# Altium PCB PCB.PcbDoc (part 4 of 7)
Units mil, origin at the board's own origin, x right, y up, seen from the top; angles counter-clockwise.
Board outline 3937.01 x 2165.35 mil, 6 copper layers (Top, PWR, Signal 1, Signal 2, GND, Bottom), stack 64.961 mil thick; 271 components, 335 nets, 1191 pads, 518 vias.
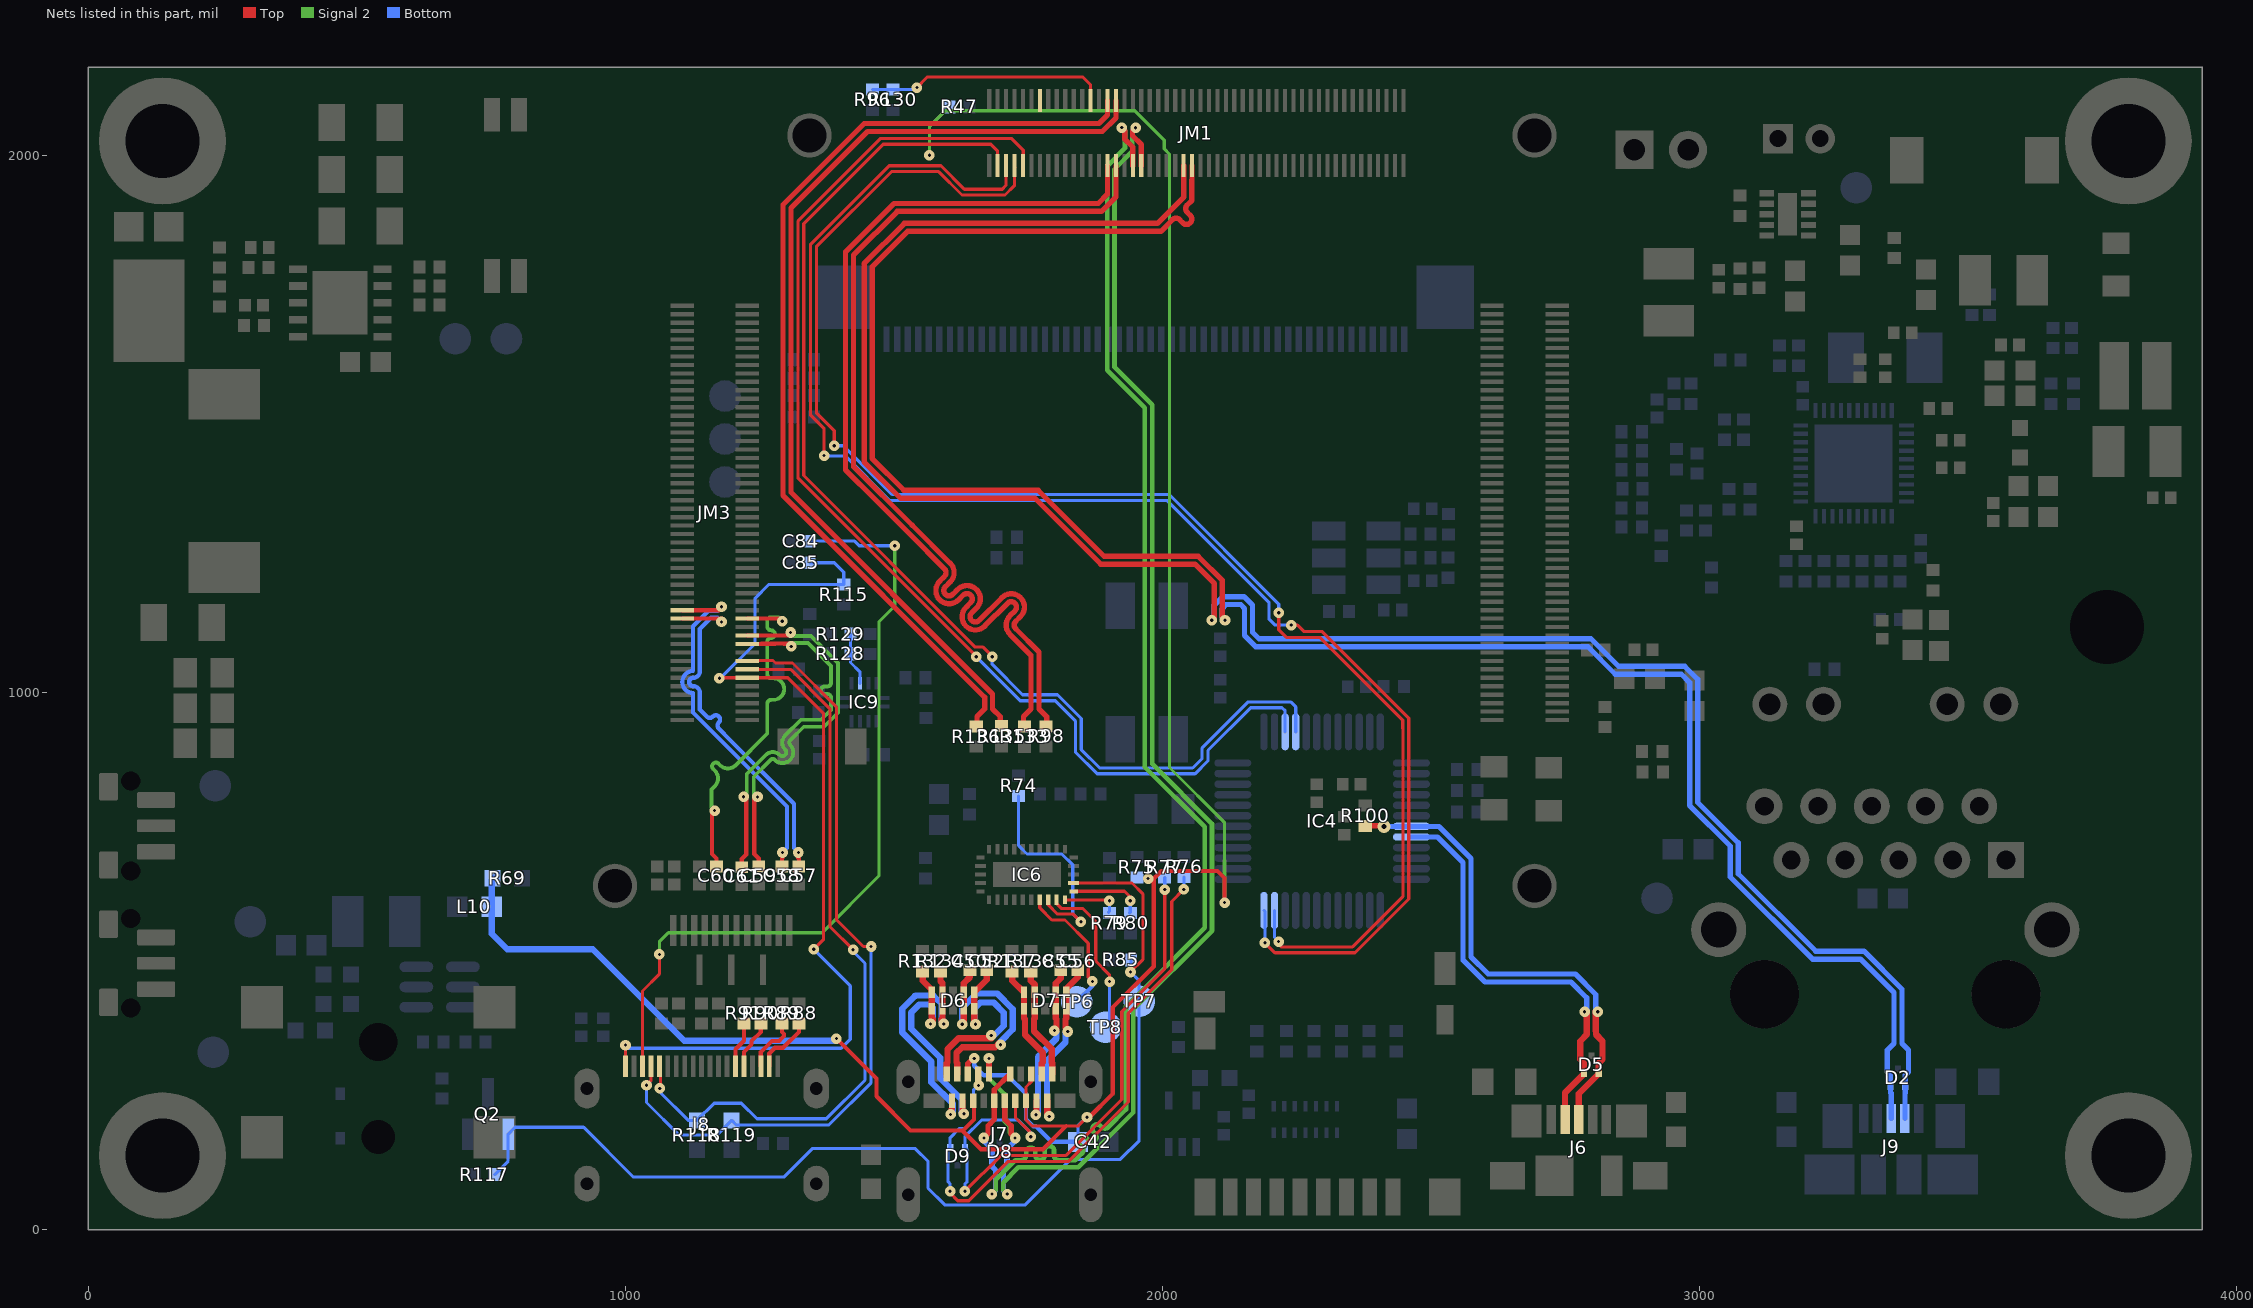
[diagram p8: the nets of this part, all layers, seen from the top]

## Via types
v1: diameter 19.68, hole 5.91, Top to Bottom, tented both sides, 378 vias
v2: diameter 19.68, hole 5.91, Top to Bottom, 128 vias
v3: diameter 23.62, hole 9.84, Top to Bottom, 7 vias
v4: diameter 23.62, hole 7.87, Top to Bottom, 5 vias

## Nets (pads, with @x,y where several pads share a name; then routed paths per layer and width w, separated by ;. In a path a pad name is that pad's centre, name@x,y a point inside that pad or via, vN(x,y) a via of type N, cw(c..) or ccw(c..) an arc to the next point about the centre after c; other vN are vias at no path point) (continued)
TMDS_D0_P: C60.1 JM3.75 | length 703.9
  Top w7.87: v1(1166.16,780.43) 1161.24,775.51 1161.24,699.59 1169.56,691.26 C60.1@1169.56,676.27 ; JM3.75@1227.09,1138.03 1253.01,1138.03 1253.46,1138.49 v1@1292.67,1138.49
  Signal 2 w7.09: 1163.56,867.78 ccw(c1168.59,862.79) 1163.58,857.77 1166.64,854.71 cw(c1152.44,840.51) 1172.52,840.51 cw(c1152.44,840.51) 1166.64,826.32 1160.31,819.99 1160.31,786.28 v1(1166.16,780.43) ; 1163.58,867.8 cw(c1168.59,862.79) 1173.6,867.8 1176.66,864.73 ccw(c1190.86,878.93) 1205.06,864.73 1264.23,923.9 1264.23,979.69 cw(c1271.31,979.69) 1271.31,986.78 1275.64,986.78 ccw(c1275.64,1006.85) 1295.72,1006.85 ccw(c1275.64,1006.85) 1275.64,1026.93 1271.31,1026.93 cw(c1271.31,1034.02) 1264.23,1034.02 1264.23,1071.78 1264.23,1094.97 cw(c1271.31,1094.97) 1271.31,1102.06 ccw(c1271.31,1109.14) 1278.4,1109.14 ccw(c1271.31,1109.14) 1271.31,1116.23 cw(c1271.31,1123.32) 1264.23,1123.32 1264.23,1135.64 1268.43,1139.84 1285.16,1139.84 v1(1292,1133)
TMDS_D1_C_N: J8.6 R91.2 | length 86.1
  Top w7.87: J8.6@1205,304.22 1205,336.07 1220.75,351.82 R91.2@1220.75,383.75
TMDS_D1_C_P: J8.5 R90.2 | length 92.6
  Top w7.87: J8.5@1220.75,304.22 1220.75,330.83 1235.01,345.1 1235.01,351.03 1252.24,368.26 R90.2@1252.24,383.75
TMDS_D1_N: C61.1 JM3.81 | length 700.5
  Top w7.87: C61.1@1216.81,675.28 1216.81,690.26 1225.14,698.59 1225.14,801.3 v1(1220.21,806.22) ; JM3.81@1227.09,1090.79 1253.01,1090.79 1253.46,1091.24 1278.64,1091.24 1279.26,1091.86 1294.75,1091.86 1295.37,1091.24 v1@1308.04,1091.24
  Signal 2 w7.09: v1(1220.21,806.22) 1225.61,811.62 1225.61,814.21 1226.06,814.67 1226.06,848.8 1261.35,884.09 cw(c1274.44,871.01) 1287.52,884.09 ccw(c1292.53,889.1) 1297.53,884.07 ; 1297.54,884.09 ccw(c1292.53,889.1) 1299.62,889.1 ccw(c1292.53,889.1) 1297.54,894.11 cw(c1310.63,907.2) 1297.54,920.28 1326.87,949.6 1364.6,949.6 1383.02,968.02 1383.02,990.4 ccw(c1375.93,990.4) 1375.93,997.49 1371.25,997.49 cw(c1371.25,1004.57) 1364.16,1004.57 cw(c1371.25,1004.57) 1371.25,1011.66 1375.93,1011.66 ccw(c1375.93,1018.74) 1383.02,1018.74 1383.02,1025.83 1383.02,1032.92 1383.02,1049.88 1376.43,1056.47 1340.12,1092.75 1322.47,1092.75 1315.43,1092.78 v1(1308.97,1086.32)
TMDS_D1_P: C59.1 JM3.79 | length 700.5
  Top w7.87: JM3.79@1227.09,1106.54 1302.04,1106.54 v1(1307.74,1112.23) ; v1(1246,806) 1245.12,806 1244.9,806.22 1239.98,801.3 1239.98,699.59 1248.31,691.26 C59.1@1248.31,676.27
  Signal 2 w7.09: v1(1246,806) 1245.12,806 1239.51,811.62 1239.51,814.21 1239.05,814.67 1239.05,843.42 1270.54,874.9 cw(c1274.44,871.01) 1278.34,874.9 ccw(c1292.53,889.1) 1306.73,874.9 ccw(c1292.53,889.1) 1312.61,889.1 ccw(c1292.53,889.1) 1306.73,903.3 cw(c1310.63,907.2) 1306.73,911.09 1332.25,936.61 1369.98,936.61 1396.01,962.64 1396.01,1055.26 1381.81,1069.46 ; v1(1307.74,1112.23) 1314.2,1105.77 1327.82,1105.77 ; 1327.85,1105.74 1345.51,1105.74 1381.78,1069.46
TMDS_D2_C_N: J8.3 R89.2 | length 106.9
  Top w7.87: J8.3@1252.24,304.22 1252.24,330.72 1273.12,351.6 1286.41,351.6 1295.55,360.73 1295.55,364.32 1291.61,368.26 R89.2@1291.61,383.75
TMDS_D2_C_P: J8.2 R88.2 | length 111.2
  Top w7.87: J8.2@1267.99,304.22 1267.99,328.26 1278.45,338.72 1293.57,338.72 1323.11,368.26 R88.2@1323.11,383.75
TMDS_D2_N: C58.1 JM3.74 | length 695.2
  Top w7.87: JM3.74@1105.83,1153.78 1174.44,1153.78 v2@1180.66,1160 ; v2(1179,1160) v2@1180.66,1160 ; v2@1180.88,1160.22 v2@1180.66,1160 ; C58.1@1291.61,676.27 1291.61,691.26 1292.6,692.24 v2(1292.6,702.44)
  Signal 2 w7.09: v2(1179,1160) 1180.66,1160 v2@1180.88,1160.22
  Bottom w7.87: v2(1179,1160) 1171.44,1152.44 1154.31,1152.44 1125.69,1123.81 1125.69,1040.74 ccw(c1126.75,1020.02) 1125.69,999.3 1125.69,963.18 1300.92,787.95 1300.92,710.77 v2(1292.6,702.44)
TMDS_D2_P: C57.1 JM3.76 | length 695.2
  Top w7.87: JM3.76@1105.83,1138.03 v2@1179.77,1138.03 ; v2(1322.12,702.44) 1322.12,692.24 1323.11,691.26 C57.1@1323.11,676.27
  Top w9.84: v2@1177.1,1135.37 v2@1180.47,1132 ; v2(1179,1132) v2@1180.47,1132 ; v2@1180.88,1131.59 v2@1180.47,1132
  Signal 2 w7.09: v2(1179,1132) 1180.47,1132 v2@1180.88,1131.59 ; v2(1322.12,702.44) v2@1322.12,702.98
  Bottom w7.87: v2(1179,1132) 1171.44,1139.56 1159.65,1139.56 1138.56,1118.48 1138.56,1039.71 cw(c1126.75,1039.71) 1126.75,1027.9 ccw(c1126.75,1020.02) 1126.75,1012.15 cw(c1126.75,1000.34) 1138.56,1000.34 1138.56,968.51 1151.58,955.5 ccw(c1157.14,961.07) 1162.71,955.5 1162.89,955.68 cw(c1168.46,950.11) 1174.02,955.68 cw(c1168.46,950.11) 1174.02,944.54 1173.85,944.36 ccw(c1179.41,938.8) 1173.85,933.23 1195.02,912.06 1313.8,793.28 1313.8,710.77 v2(1322.12,702.44)
TMDS_HEAC: C84.1 J8.17 | length 1493.6
  Top w5.91: J8.17@1031.77,304.22 1031.77,444.46 1063.27,475.95 v2(1063.27,512.54)
  Signal 2 w5.91: v2(1063.27,512.54) 1063.27,536.27 1080,553 1366.47,553 1472.42,658.96 1472.42,849.91 1472.42,1132.14 1501.74,1161.46 v1(1501.74,1273.66)
  Bottom w5.91: C84.1@1343.58,1282.3 1427,1282.3 1435.64,1273.66 v1(1501.74,1273.66)
TMDS_HPD: C85.1 J8.19 JM3.89 R115.2 | length 1782
  Top w5.91: J8.19@1000.27,304.22 v1(1000.26,343.77) ; v2(1175.12,1027.01) 1175.9,1027.8 JM3.89@1227.09,1027.8 1302.44,1027.8 1369.2,961.03 1369.2,540.61 v1(1350.71,522.11)
  Bottom w5.91: v1(1000.26,343.77) 1000.26,337.75 1401.79,337.75 1418.79,354.75 1418.79,454.03 v1(1350.71,522.11) ; v2(1175.12,1027.01) 1176.97,1027.01 1241.65,1091.7 1241.65,1175.95 1267.43,1201.73 R115.2@1406.78,1201.73 1406.68,1201.83 1406.68,1224.43 1388.92,1242.2 C85.1@1343.58,1242.2
TMDS_SCL_5V: J8.15 JM3.87 R118.1 | length 1402.8
  Top w5.91: J8.15@1063.27,304.22 1065.42,302.07 1065.42,264.7 v1(1063.9,263.18) ; JM3.87@1227.09,1043.54 1307.77,1043.54 1380.91,970.4 1380.91,564.64 v1(1424.17,521.38)
  Bottom w5.91: v1@1065.42,254.84 1116.73,203.53 R118.1@1133.21,203.53 1165.18,235.51 1216.14,235.51 1245.18,206.46 1374.13,206.46 1446.21,278.54 1446.21,495.97 1424.17,518.02 v1(1424.17,521.38)
TMDS_SDA_5V: J8.16 JM3.85 R119.1 | length 1499.1
  Top w5.91: v1(1039.29,269) 1047.52,277.22 J8.16@1047.52,304.22 ; JM3.85@1227.09,1059.29 1227.89,1060.1 1275.01,1060.1 1279.67,1055.44 1311.18,1055.44 1393.02,973.6 1393.02,577.58 1443.28,527.32 v1(1457.62,527.32)
  Bottom w5.91: v1(1039.29,269) 1039.29,236.77 1100.09,175.98 1170.38,175.98 R119.1@1197.93,203.53 1206.46,195 1378.87,195 1457.67,273.8 1457.67,527.27 v1(1457.62,527.32)
UART3_RXD: IC4.40 JM1.97 | length 2221.9
  Top w5.91: 1631.13,2021.58 1480.24,2021.58 1332.04,1873.38 1332.04,1404.65 1651.7,1085 1666.33,1085 1683.39,1067.93 v1(1683.39,1066.95) ; 1631.14,2021.57 1679.31,2021.57 1680.38,2021.58 1693.23,2008.73 JM1.97@1693.23,1981.73
  Bottom w5.91: v1(1683.39,1066.95) 1683,1066.55 1683,1052.8 1739.52,996.28 1804.72,996.28 1849,952 1849,894 1883.17,859.83 2056.52,859.83 2074.17,877.48 2074.17,897.17 2160,983 2239,983 2248.4,973.6 IC4.40@2248.4,927.2
UART3_TXD: IC4.39 JM1.91 | length 2273.7
  Top w5.91: v1(1653.54,1066.95) 1653.54,1067.84 1321.21,1400.17 1321.21,1877.87 1475.76,2032.41 1635.62,2032.41 1674.83,2032.4 ; 1674.83,2032.41 1718.84,2032.41 1740.91,2010.33 1740.91,1982.17 JM1.91@1740.47,1981.73
  Bottom w5.91: v1(1653.54,1066.95) 1735.49,985 1800.69,985 1838.17,947.52 1838.17,889.52 1878.69,849 2061,849 2085,873 2085,892.69 2164.48,972.17 2222.83,972.17 2228.71,966.29 IC4.39@2228.71,927.2
USB1_ID: JM1.76 R96.2 R130.1 | length 451
  Top w5.91: v2(1542.84,2127.09) 1562.73,2146.99 1851.25,2146.99 1866.46,2131.78 JM1.76@1866.46,2102.99
  Bottom w5.91: R96.2@1460.36,2123.29 R130.1@1498.36,2123.29 R130.1@1498.36,2123.29 1539,2123.25 v2(1542.84,2127.09)
USB2_ID: JM1.88
USB2_N: D8.2 J7.A7 J7.B7 JM1.65 | length 2777.6
  Top w9.84: v2(1667.76,170.69) 1675.41,178.33 1675.41,193.36 1687.01,204.96 J7.B7@1687.01,240.16 1687.01,260.63 J7.A7@1716.54,290.16 ; v2(1924.33,2052.41) 1929.81,2046.93 1929.81,2031.23 1945.2,2015.84 JM1.65@1945.2,1981.73
  Signal 2 w8.66: v2(1682.56,66.13) 1690.04,73.61 1690.04,93.22 1726.38,129.56 1737.62,129.56 ccw(c1737.62,138.22) 1746.28,138.22 1746.28,144.14 cw(c1754.94,144.14) 1754.94,152.8 cw(c1754.94,144.14) 1763.6,144.14 1763.6,138.22 ccw(c1772.26,138.22) 1772.26,129.56 ccw(c1772.26,138.22) 1780.93,138.22 1780.93,147.35 cw(c1789.59,147.35) 1789.59,156.01 cw(c1789.59,147.35) 1798.25,147.35 1798.25,138.22 ccw(c1806.91,138.22) 1806.91,129.56 1838.1,129.56 1850.34,141.81 ccw(c1844.22,147.93) 1850.34,154.06 1843.89,160.51 cw(c1850.01,166.64) 1843.89,172.76 cw(c1850.01,166.64) 1856.14,172.76 1862.59,166.31 ccw(c1868.72,172.43) 1874.84,166.31 ccw(c1868.72,172.43) 1874.84,178.56 1872.27,181.13 cw(c1878.4,187.25) 1872.27,193.38 cw(c1878.4,187.25) 1884.52,193.38 1887.09,190.81 ccw(c1893.22,196.93) 1899.34,190.81 1932.34,223.8 1932.34,415.66 2079,562.32 2079,750 1967.34,861.66 1967.34,1530.82 1897.35,1600.8 1897.35,1939.15 1897.36,1954.98 1897.23,1955.11 1897.23,1980.93 1930.4,2014.1 1930.4,2046.34 v2(1924.33,2052.41)
  Bottom w9.84: v2(1667.76,170.69) 1667.76,165.46 1683.09,150.14 D8.2@1683.09,128.62 1683.09,117.26 1689.45,110.9 1689.45,73.02 v2(1682.56,66.13)
USB2_P: D8.1 J7.A6 J7.B6 JM1.63 | length 2777.6
  Top w9.84: J7.B6@1706.69,240.16 1706.69,205.38 1718.72,193.36 1718.72,177.8 v2(1725.83,170.69) ; v2(1950.13,2052.2) 1944.65,2046.73 1944.65,2037.37 1960.95,2021.08 JM1.63@1960.95,1981.73
  Top w11.81: J7.A6@1677.17,290.16 v1(1677.17,318.9)
  Signal 2 w8.66: v1(1677.17,318.9) 1677.17,281.5 1706.92,251.74 1706.92,201.53 1716.16,192.3 1716.16,180.36 v2(1725.83,170.69) ; v2(1711.18,66.13) 1703.7,73.61 1703.7,87.56 1732.04,115.9 1843.75,115.9 1946,218.14 1946,410 2092,556 2092.66,556.66 2092.66,755.66 2092,756.32 1981,867.32 1981,1536.48 1911.03,1606.45 1911.03,1960.64 1910.89,1960.77 1910.89,1975.27 1944.06,2008.44 1944.06,2046.14 v2(1950.13,2052.2)
  Bottom w9.84: v2(1711.18,66.13) 1704.29,73.02 1704.29,110.9 1710.65,117.26 D8.1@1710.65,128.62 1710.65,150.14 1725.83,165.32 v2(1725.83,170.69)
USB3_0_MUX1_RX_D_N: D6.1 J7.B10 R132.2 | length 447.6
  Top w11.81: R132.2@1553.68,481.1 1553.68,463.73 1570.82,446.59 D6.1@1570.82,441.84 D6.1@1570.82,411.52 1570.82,393.84 1572.25,392.4 1572.25,387.24 v2(1568.32,383.3) ; J7.B10@1627.95,240.16 1627.95,217.11 1630.45,214.61 1630.45,215.78 1630.23,216 v2(1630.45,216)
  Bottom w11.81: v2(1568.32,383.3) 1572.25,387.24 1572.25,413.46 1566.45,419.26 1547.33,419.26 1532.48,404.42 1532.48,374.25 1586.69,320.04 1586.69,281.66 1626.52,241.83 1626.52,218.54 1630.45,214.61 1630.45,215.78 1630.23,216 v2(1630.45,216)
USB3_0_MUX1_RX_D_P: D6.2 J7.B11 R134.2 | length 494.3
  Top w11.81: R134.2@1586.88,481.1 1586.88,462.42 1590.5,458.8 D6.2@1590.5,441.84 1590.5,428.29 D6.2@1590.5,411.52 1590.5,393.84 1589.07,392.4 1589.07,387.24 v2(1593,383.3) ; v2(1605.77,214.61) 1607.25,216.09 1607.25,224.59 1608.27,225.61 J7.B11@1608.27,240.16
  Bottom w11.81: v2(1593,383.3) 1589.07,387.24 1589.07,420.42 1578.34,431.15 1573.41,436.08 1540.36,436.08 1535.44,431.15 1515.67,411.38 1515.67,367.28 1569.88,313.08 1569.88,274.7 1609.7,234.87 1609.7,218.54 v2(1605.77,214.61)
USB3_0_MUX1_TX_D_N: C50.1 D6.4 J7.A3 | length 461.1
  Top w11.81: J7.A3@1618.11,290.16 1618.11,310.17 1616.67,311.61 1616.67,329.34 1627.25,339.91 1688.7,339.91 1695.94,347.15 v2(1698.72,344.37) ; v2(1627.37,382.44) 1629.87,384.94 D6.4@1629.87,411.52 1629.87,428.29 D6.4@1629.87,441.84 1629.87,458.8 1641.73,470.66 C50.1@1641.73,483.27
  Bottom w11.81: v2(1627.37,382.44) 1627.37,413.11 1654.05,439.79 1692.73,439.79 1721.7,410.81 1721.7,372.91 1698.72,349.93 v2(1698.72,344.37)
USB3_0_MUX1_TX_D_P: C52.1 D6.5 J7.A2 | length 407.2
  Top w11.81: J7.A2@1598.43,290.16 1598.43,310.17 1599.86,311.61 1599.86,336.3 1620.29,356.72 1681.74,356.72 1681.74,361.35 v2(1681.27,361.82) ; v2(1652.06,382.44) 1649.56,384.94 D6.5@1649.56,411.52 D6.5@1649.56,441.84 1661.94,454.22 1661.94,454.4 1673.23,465.69 C52.1@1673.23,483.27
  Bottom w11.81: v2(1652.06,382.44) 1649.56,384.94 1649.56,411.52 1661.01,422.97 1685.76,422.97 1704.89,403.85 1704.89,379.87 1686.83,361.82 v2(1681.27,361.82)
USB3_0_MUX2_RX_D_N: D7.1 J7.A10 R137.2 | length 215.1
  Top w11.81: R137.2@1720.35,481.1 1720.35,463.73 1720.56,463.73 D7.1@1742.45,441.84 1742.45,424.35 D7.1@1742.45,411.52 1742.45,393.84 1744.31,391.98 1744.31,362.72 1777.03,330 1777.03,311.61 1775.59,310.17 J7.A10@1775.59,290.16
USB3_0_MUX2_RX_D_P: D7.2 J7.A11 R138.2 | length 211.9
  Top w11.81: R138.2@1754.92,481.1 1754.92,463.73 1762.14,456.51 D7.2@1762.14,441.84 ; D7.2@1762.14,438.45 D7.2@1762.14,441.84 ; J7.A11@1795.28,290.16 1795.28,310.17 1793.84,311.61 1793.84,336.96 1761.12,369.68 1761.12,392.82 1762.14,393.84 D7.2@1762.14,411.52 D7.2@1762.14,441.84
USB3_0_MUX2_TX_D_N: C55.1 D7.4 J7.B3 | length 332.1
  Top w11.81: v2(1764.6,214.03) 1764.6,210.89 1765.75,212.04 J7.B3@1765.75,240.16 ; v2(1799.01,370.74) 1802.94,374.68 1802.94,392.4 1801.51,393.84 D7.4@1801.51,411.52 D7.4@1801.51,441.84 1801.51,458.8 1811.02,468.32 C55.1@1811.02,483.27
  Bottom w11.81: v2(1764.6,214.03) 1764.6,210.89 1768.54,214.83 1768.54,321.49 1802.94,355.9 1802.94,366.8 v2(1799.01,370.74)
USB3_0_MUX2_TX_D_P: C56.1 D7.5 J7.B2 | length 335.2
  Top w11.81: J7.B2@1785.43,240.16 1785.43,214.75 v2(1789.29,210.89) ; v2(1823.91,369.11) 1823.91,370.52 1823.69,370.74 1819.75,374.68 1819.75,392.4 1821.19,393.84 D7.5@1821.19,411.52 D7.5@1821.19,441.84 1821.19,448.71 1842.52,470.04 C56.1@1842.52,483.27
  Bottom w11.81: v2(1789.29,210.89) 1785.35,214.83 1785.35,314.53 1819.75,348.93 1819.75,366.8 1823.69,370.74 1823.91,370.52 v2(1823.91,369.11)
USB_3_HOST_CC1: D9.1 J7.A5 R76.1 | length 1107.2
  Top w5.91: v2(1604.81,71.61) 1604.81,68.19 1619.12,53.89 1639.85,53.89 1713.13,127.17 1826.06,127.17 1936.6,237.7 1936.6,402.76 2017.59,483.75 2017.59,611.15 v1(2040.07,633.63)
  Bottom w5.91: v2(1604.81,71.61) 1604.81,85.11 1600.97,88.96 1600.97,149.55 D9.1@1604.81,153.39 1604.81,171.47 1621.31,187.97 1631.88,187.97 1648.17,204.26 1648.17,259.97 v1@1656.9,268.7 ; v1(2040.07,633.63) 2040.55,634.11 R76.1@2040.55,656.56
  other v1: 1657.9,268.7
USB_3_HOST_CC2: D9.2 J7.B5 R77.1 | length 1128.4
  Top w5.91: v2(1632.37,71.61) 1698.76,138 1819.96,138 1924.34,242.38 1924.34,405.81 2004.64,486.11 v1(2004.64,633.26) ; J7.B5@1726.38,240.16 1726.38,220.64 1726.5,220.52 1726.5,208.63 v2@1753.71,181.42
  Bottom w5.91: v2(1632.37,71.61) 1632.37,84.93 1636.4,88.96 1636.4,149.36 D9.2@1632.37,153.39 1632.37,173.15 1663.29,204.07 1731.41,204.07 v2@1754.06,181.42 ; R77.1@2004.42,655.88 2004.42,633.48 v1(2004.64,633.26)
  other v2: 1755,173
USB_D_N: D5.1 IC4.8 J6.2 | length 807.9
  Top w11.81: J6.2@2750,207.2 2750,254.92 D5.1@2785.43,290.35 2785.43,310.48 2778.54,317.37 2778.54,351.08 2790.81,363.35 2790.35,363.8 2790.35,401.88 v1(2786.42,405.81)
  Bottom w9.84: IC4.8@2463.95,731.33 2512.67,731.33 2560,684 2560,502.01 2600.85,461.16 2761.2,461.16 2790.35,432 2790.35,409.75 v1(2786.42,405.81)
USB_D_P: D5.2 IC4.7 J6.3 R100.1 | length 923.3
  Top w9.84: R100.1@2378,752.1 2411.9,752.1 v3(2413,751)
  Top w11.81: J6.3@2775.59,207.2 2775.59,252.95 D5.2@2812.99,290.35 2812.99,310.48 2819.88,317.37 2819.88,351.08 2807.62,363.34 2807.62,370.31 2807.17,370.76 v1@2807.17,405.81 ; v1@2810.65,405.36 v1(2811.1,405.81)
  Bottom w9.84: v3@2413.01,751.01 IC4.7@2463.95,751.01 2514.99,751.01 2574.84,691.16 2574.84,508.16 2607,476 2769.31,476 2807.17,438.15 2807.17,409.75 v1(2811.1,405.81)
USB_OTG_N: D2.1 J9.2 JM1.53 | length 3957.2
  Top w9.84: JM1.53@2039.69,1981.73 2039.69,1954.94 2040.14,1954.49 2040.14,1923.24 1991.07,1874.17 1519.51,1874.17 1444.71,1799.37 1444.71,1429.94 1512.4,1362.25 1762.62,1362.25 1885.44,1239.43 2060.57,1239.43 2096.92,1203.08 2096.92,1139.92 v2(2092,1135)
  Bottom w9.84: v2(2092,1135) 2096.92,1139.92 2096.92,1163.15 2112.76,1178.98 2152.15,1178.98 2168,1163.13 2168,1112.58 2180,1100.58 2798.44,1100.58 2849.67,1049.35 2972.79,1049.35 2997.01,1025.13 2997.01,796.07 3072.69,720.4 3072.69,662.9 3216.95,518.64 3306.66,518.64 3377.53,447.77 3377.53,346.95 3389.75,334.73 3389.75,293.43 3383.89,287.58 D2.1@3383.89,266.06 3383.89,255.05 3383.12,254.28 J9.2@3383.12,207.2
USB_OTG_P: D2.2 J9.3 JM1.51 | length 3946.5
  Top w9.84: 2046.43,1908.54 ccw(c2053.39,1901.58) 2046.43,1894.62 2052,1889.05 cw(c2045.04,1882.09) 2052,1875.13 cw(c2045.04,1882.09) 2038.08,1875.13 2032.51,1880.7 ccw(c2025.55,1873.74) 2018.59,1880.7 1997.22,1859.33 1525.65,1859.33 1459.55,1793.22 1459.55,1436.09 1518.55,1377.09 1768.77,1377.09 1891.59,1254.28 2066.71,1254.28 2111.76,1209.23 2111.76,1139.92 v2(2116.68,1135) ; 2046.43,1908.54 2054.98,1917.09 2054.98,1954.49 2055.43,1954.94 JM1.51@2055.43,1981.73
  Bottom w9.84: v2(2116.68,1135) 2111.76,1139.92 2111.76,1157 2118.91,1164.14 2146,1164.14 2153.16,1156.98 2153.16,1106.43 2173.85,1085.74 2792.3,1085.74 2843.52,1034.51 2966.64,1034.51 2982.17,1018.98 2982.17,789.92 3057.85,714.25 3057.85,656.76 3210.8,503.8 3300.51,503.8 3362.69,441.62 3362.69,347.04 3350.38,334.73 3350.38,293.53 3356.33,287.58 D2.2@3356.33,266.06 3356.33,255.05 3357.53,253.85 J9.3@3357.53,207.2
USBC_ADDR: IC6.22 TP6.1 | length 256.6
  Top w5.91: IC6.22@1771.65,614.17 1771.65,599.37 1794.32,576.71 1798.06,576.71 1798.12,576.77 1818.66,576.77 1862.2,533.23 1862.2,469.9 v1(1869.72,462.38)
  Bottom w7.87: TP6.1@1840.66,424.62 1869.72,453.68 v1(1869.72,462.38)
USBC_FAULT: IC6.24 TP8.1 | length 305.6
  Top w5.91: IC6.24@1803.15,614.17 1803.15,606.97 1811.7,598.43 1851.43,598.43 1875.95,573.91 1875.95,500.34 1901.4,474.88 1901.4,461.37 1901.71,461.69 v1(1901.71,462)
  Bottom w5.91: TP8.1@1894.17,377.01 1901.71,384.55 v1(1901.71,462)
USBC_ID: IC6.27 Q2.1 R85.2 R117.2 TP7.1 | length 2085.6
  Top w5.91: IC6.27@1834.65,645.67 1943.58,645.67 1963.91,625.34 1963.91,502.99 v1(1940.79,479.87)
  Bottom w5.91: R117.2@756.36,102.58 781.49,127.72 Q2.1@781.49,177.88 794.37,190.76 922.24,190.76 1015.07,97.93 1294.93,97.93 1348,151 1540,151 1563.55,127.45 1563.55,77.45 1594.9,46.1 1744.99,46.1 1829.72,130.82 1921.94,130.82 1956.81,165.7 TP7.1@1956.81,425.18 1956.81,463.85 v1(1940.79,479.87) 1941.8,480.88 R85.2@1941.8,502.43
USBC_INTN: IC6.23 R74.1 | length 403.8
  Top w5.91: IC6.23@1787.4,614.17 1787.4,605.01 1804.81,587.6 1834.37,587.6 v1(1848.46,573.51)
  Bottom w5.91: R74.1@1732.28,807.87 1732.28,715.26 1747.97,699.57 1812.96,699.57 1833.26,679.27 1833.26,588.7 v1(1848.46,573.51)
USBC_SCL: IC6.26 R80.1 | length 142.1
  Top w5.91: IC6.26@1834.65,629.92 1834.88,630.15 1929.61,630.15 1941.69,618.07 v1@1941.69,610.79
  Bottom w5.91: R80.1@1939.24,590.16 1940.32,591.24 v1(1940.32,612.44)
USBC_SDA: IC6.25 R79.1 | length 106.8
  Top w5.91: IC6.25@1818.9,614.17 1894.93,614.17 1898.64,610.46 1899.54,610.46 v1(1901.52,612.44)
  Bottom w5.91: R79.1@1899.9,591.24 1901.52,592.86 v1(1901.52,612.44)
USBC_VBUS: C42.2 J7.A4 J7.A9 J7.B4 J7.B9 L10.2 R47.1 R69.1 R75.2 | length 4821.4
  Top w5.91: 1755.91,275.59 1746.06,265.75 J7.B4@1746.06,240.16 1746.06,204.38 1757.26,193.18 1820.95,193.18 1843.65,193.18 v2(1859.72,209.25)
  Top w7.87: v1(1393.1,355.81) 1467.6,281.32 1467.6,248.53 1531.23,184.89 1628.8,184.89 ; J7.B9@1647.64,240.16 1649.15,238.64 1649.15,205.25 1628.8,184.89 ; 1820.95,193.18 1777.58,149.81 1662.19,149.81 1628.8,183.21 1628.8,184.89 ; v2(1859.72,209.25) 1863.82,209.25 1907.54,252.98 1907.54,413.66 1984.02,490.14 1984.02,654.02 1998,668 2103,668 2116,655 v1(2116,609)
  Top w9.84: J7.A4@1637.8,290.16 1637.44,290.51 1637.44,309.06 v1@1647.5,319.12
  Signal 2 w5.91: v2(1566.24,2001.18) 1566.24,2053.95 1596.05,2083.76 1948.55,2083.76 2003.5,2028.81 2003.5,2012.98 2013.38,2003.1 2013.38,1958.52 2013.32,1958.46 2013.32,860.68 2116,758 2116,688
  Signal 2 w7.87: v1(2116,609) 2116,688
  Bottom w5.91: v2(1566.24,2001.18) 1566.24,2054.11 R47.1@1603.27,2091.14 ; C42.2@1842.83,163.63 1842.83,193.29 1858.8,209.25 v2(1859.72,209.25)
  Bottom w7.87: R69.1@752.57,654.4 R69.1@762.37,664.2 ; v1(1649.61,318.9) 1649.61,305.31 1667.52,287.4 1711.53,287.4 1745.9,253.03 1745.9,206.28 1759.99,192.19 1765.24,192.19 1793.81,163.63 C42.2@1842.83,163.63
  Bottom w11.81: R69.1@752.07,651.83 751.02,650.77 L10.2@751.02,601.26 751.02,551.21 780.12,522.11 939.06,522.11 1109.64,351.53 1388.82,351.53 v1(1393.1,355.81)
  other v1: 1973.58,653.74
USBSS_RX_N: JM1.72 R136.1 | length 1831.6
  Top w9.84: R136.1@1654.85,939.23 1654.85,955.74 1669.05,969.95 1669.05,991.65 1293.58,1367.13 1293.58,1908.82 1444.8,2060.05 1647.07,2060.05 1663.38,2060.04 ; 1663.39,2060.05 1881.99,2060.05 1897.95,2076.01 JM1.72@1897.95,2102.99
USBSS_RX_P: JM1.70 R135.1 | length 1832
  Top w9.84: 1669.53,2045.2 1640.92,2045.2 1450.95,2045.2 1308.42,1902.67 1308.42,1373.27 1683.89,997.8 1683.89,969.95 1698.1,955.74 R135.1@1698.1,939.23 ; 1669.54,2045.2 1888.14,2045.2 1913.64,2070.7 1913.64,2075.95 1913.7,2076.01 JM1.70@1913.7,2102.99
USBSS_TX_N: JM1.71 R133.1 | length 1826.3
  Top w9.84: 1594.43,1216.81 1585.44,1207.82 ccw(c1602.9,1190.36) 1585.44,1172.91 ccw(c1602.9,1190.36) 1620.35,1172.91 1629.34,1181.89 cw(c1636.3,1174.94) 1643.26,1181.9 cw(c1636.3,1174.94) 1646.15,1174.94 cw(c1636.3,1174.94) 1643.26,1167.98 1634.27,1158.99 ccw(c1651.73,1141.53) 1634.27,1124.08 ccw(c1651.73,1141.53) 1669.18,1124.08 1711.58,1166.48 cw(c1718.54,1159.52) 1725.5,1166.48 cw(c1718.54,1159.52) 1728.38,1159.52 cw(c1718.54,1159.52) 1725.5,1152.56 1716.51,1143.57 ccw(c1733.96,1126.11) 1716.51,1108.65 1755.55,1069.61 1755.55,969.95 1741.34,955.74 R133.1@1741.34,938.75 ; 1594.43,1216.81 ccw(c1587.47,1223.77) 1597.32,1223.77 ccw(c1587.47,1223.77) 1594.43,1230.73 1528.17,1296.99 1528.03,1296.99 1465.25,1359.77 1410.11,1414.91 1410.11,1821.1 1500.33,1911.32 1880.62,1911.32 1897.95,1928.65 JM1.71@1897.95,1981.73
USBSS_TX_P: JM1.69 R98.1 | length 1826.7
  Top w9.84: R98.1@1784.59,938.75 1784.59,955.74 1770.39,969.95 1770.39,1075.76 1727,1119.15 cw(c1733.96,1126.11) 1727,1133.07 1735.99,1142.06 ccw(c1718.54,1159.52) 1743.22,1159.52 ccw(c1718.54,1159.52) 1735.99,1176.97 ccw(c1718.54,1159.52) 1701.08,1176.97 1658.69,1134.57 cw(c1651.73,1141.53) 1644.77,1134.57 cw(c1651.73,1141.53) 1644.77,1148.49 1653.76,1157.48 ccw(c1636.3,1174.94) 1660.99,1174.94 ccw(c1636.3,1174.94) 1653.76,1192.39 ccw(c1636.3,1174.94) 1618.85,1192.39 1609.86,1183.4 cw(c1602.9,1190.36) 1595.94,1183.4 cw(c1602.9,1190.36) 1595.94,1197.32 1604.93,1206.31 ccw(c1587.47,1223.77) 1612.16,1223.77 ccw(c1587.47,1223.77) 1604.93,1241.22 1534.32,1311.83 1534.18,1311.83 1424.95,1421.06 1424.95,1814.95 1506.48,1896.48 1886.77,1896.48 1913.84,1923.54 1913.84,1929.43 1913.7,1929.56 JM1.69@1913.7,1981.73
UUSB_DEBUG_RX: IC4.24 JM1.95 | length 2910.4
  Top w5.91: v1(1369.97,1441.72) 1370.19,1441.94 1370.19,1491.58 1345,1516.77 1345,1835.14 1374,1864.14 1491.2,1981.33 1587.89,1981.33 1631.41,1937.81 1701.88,1937.81 1708.66,1944.59 JM1.95@1708.66,1981.73 ; v2(2191.11,534.38) 2209.71,515.77 2358.91,515.77 2458.98,615.84 2458.98,952.64 2297.8,1113.83 2264.17,1113.83 2252,1126 v2(2240,1126)
  Bottom w5.91: v1(1369.97,1441.72) 1370.68,1441 1409.19,1441 1491.93,1358.26 2008.43,1358.26 2199,1167.69 2199,1137 2210,1126 v2(2240,1126) ; IC4.24@2189.34,594.52 2191.11,592.75 v2(2191.11,534.38)
UUSB_DEBUG_TXD: IC4.23 JM1.93 | length 2843.4
  Top w5.91: v1(1389.05,1460.03) 1389.05,1488.03 1355.83,1521.25 1355.83,1830.65 1495.68,1970.51 1583.4,1970.51 1626.93,1926.98 1707.06,1926.98 1724.41,1944.33 1724.41,1976.71 JM1.93@1725.65,1977.96 ; v2(2216.64,536.44) 2211.6,536.44 2211.41,536.25 2221.06,526.6 2354.43,526.6 2448.15,620.33 2448.15,933.33 2447.65,933.83 2447.65,948.66 2293.31,1103 2231,1103 2217,1117 v2(2217,1149)
  Bottom w5.91: v1(1389.05,1460.03) 1405.47,1460.03 1496.42,1369.09 2012.91,1369.09 2217,1165 v2(2217,1149) ; IC4.23@2209.03,594.52 2209.03,544.06 v2(2216.64,536.44)
VBUS_DET: IC9.4 R128.1 R129.1 | length 98.6
  Bottom w5.91: R129.1@1419.35,1109.04 R128.1@1419.35,1072.67 1419.35,1056.39 1436.81,1038.92 IC9.4@1436.81,1017.71
pads on no net: IC1.35 IC3.10 IC4.1 IC4.10 IC4.11 IC4.12 IC4.13 IC4.15 IC4.16 IC4.17 IC4.19 IC4.20 IC4.21 IC4.22 IC4.26 IC4.27 IC4.28 IC4.29 IC4.30 IC4.32 IC4.33 IC4.35 IC4.36 IC4.37 IC4.38 IC4.41 IC4.48 IC7.15 IC8.4 J1.13 J1.14 J1.16 J1.17 J1.31 J1.32 J1.33 J1.34 J1.35 J1.36 J1.37 J1.38 J1.43 J1.44 J1.45 J1.46 J1.M J2. J2.11 J2.12 J4. J5.M J6.4 J7.A8 J7.B8 J7.M J9.4 JM0.3 JM0.5 JM0.8 JM0.14 JM0.30 JM0.54 JM0.81 JM0.82 JM0.84 JM0.86 JM0.88 JM0.89 JM0.90 JM0.92 JM1.58 JM1.60 JM1.64 JM1.66 JM3.37 JM3.41 JM3.67 JM3.69 JM3.91 ON/OFF.10 ON/OFF.11 Q1.2 RST1.10 RST1.11 Y2.2 Y2.4
copper on no net: | length 78923